# KiCad board NoU2-panelized.kicad_pcb (continued)
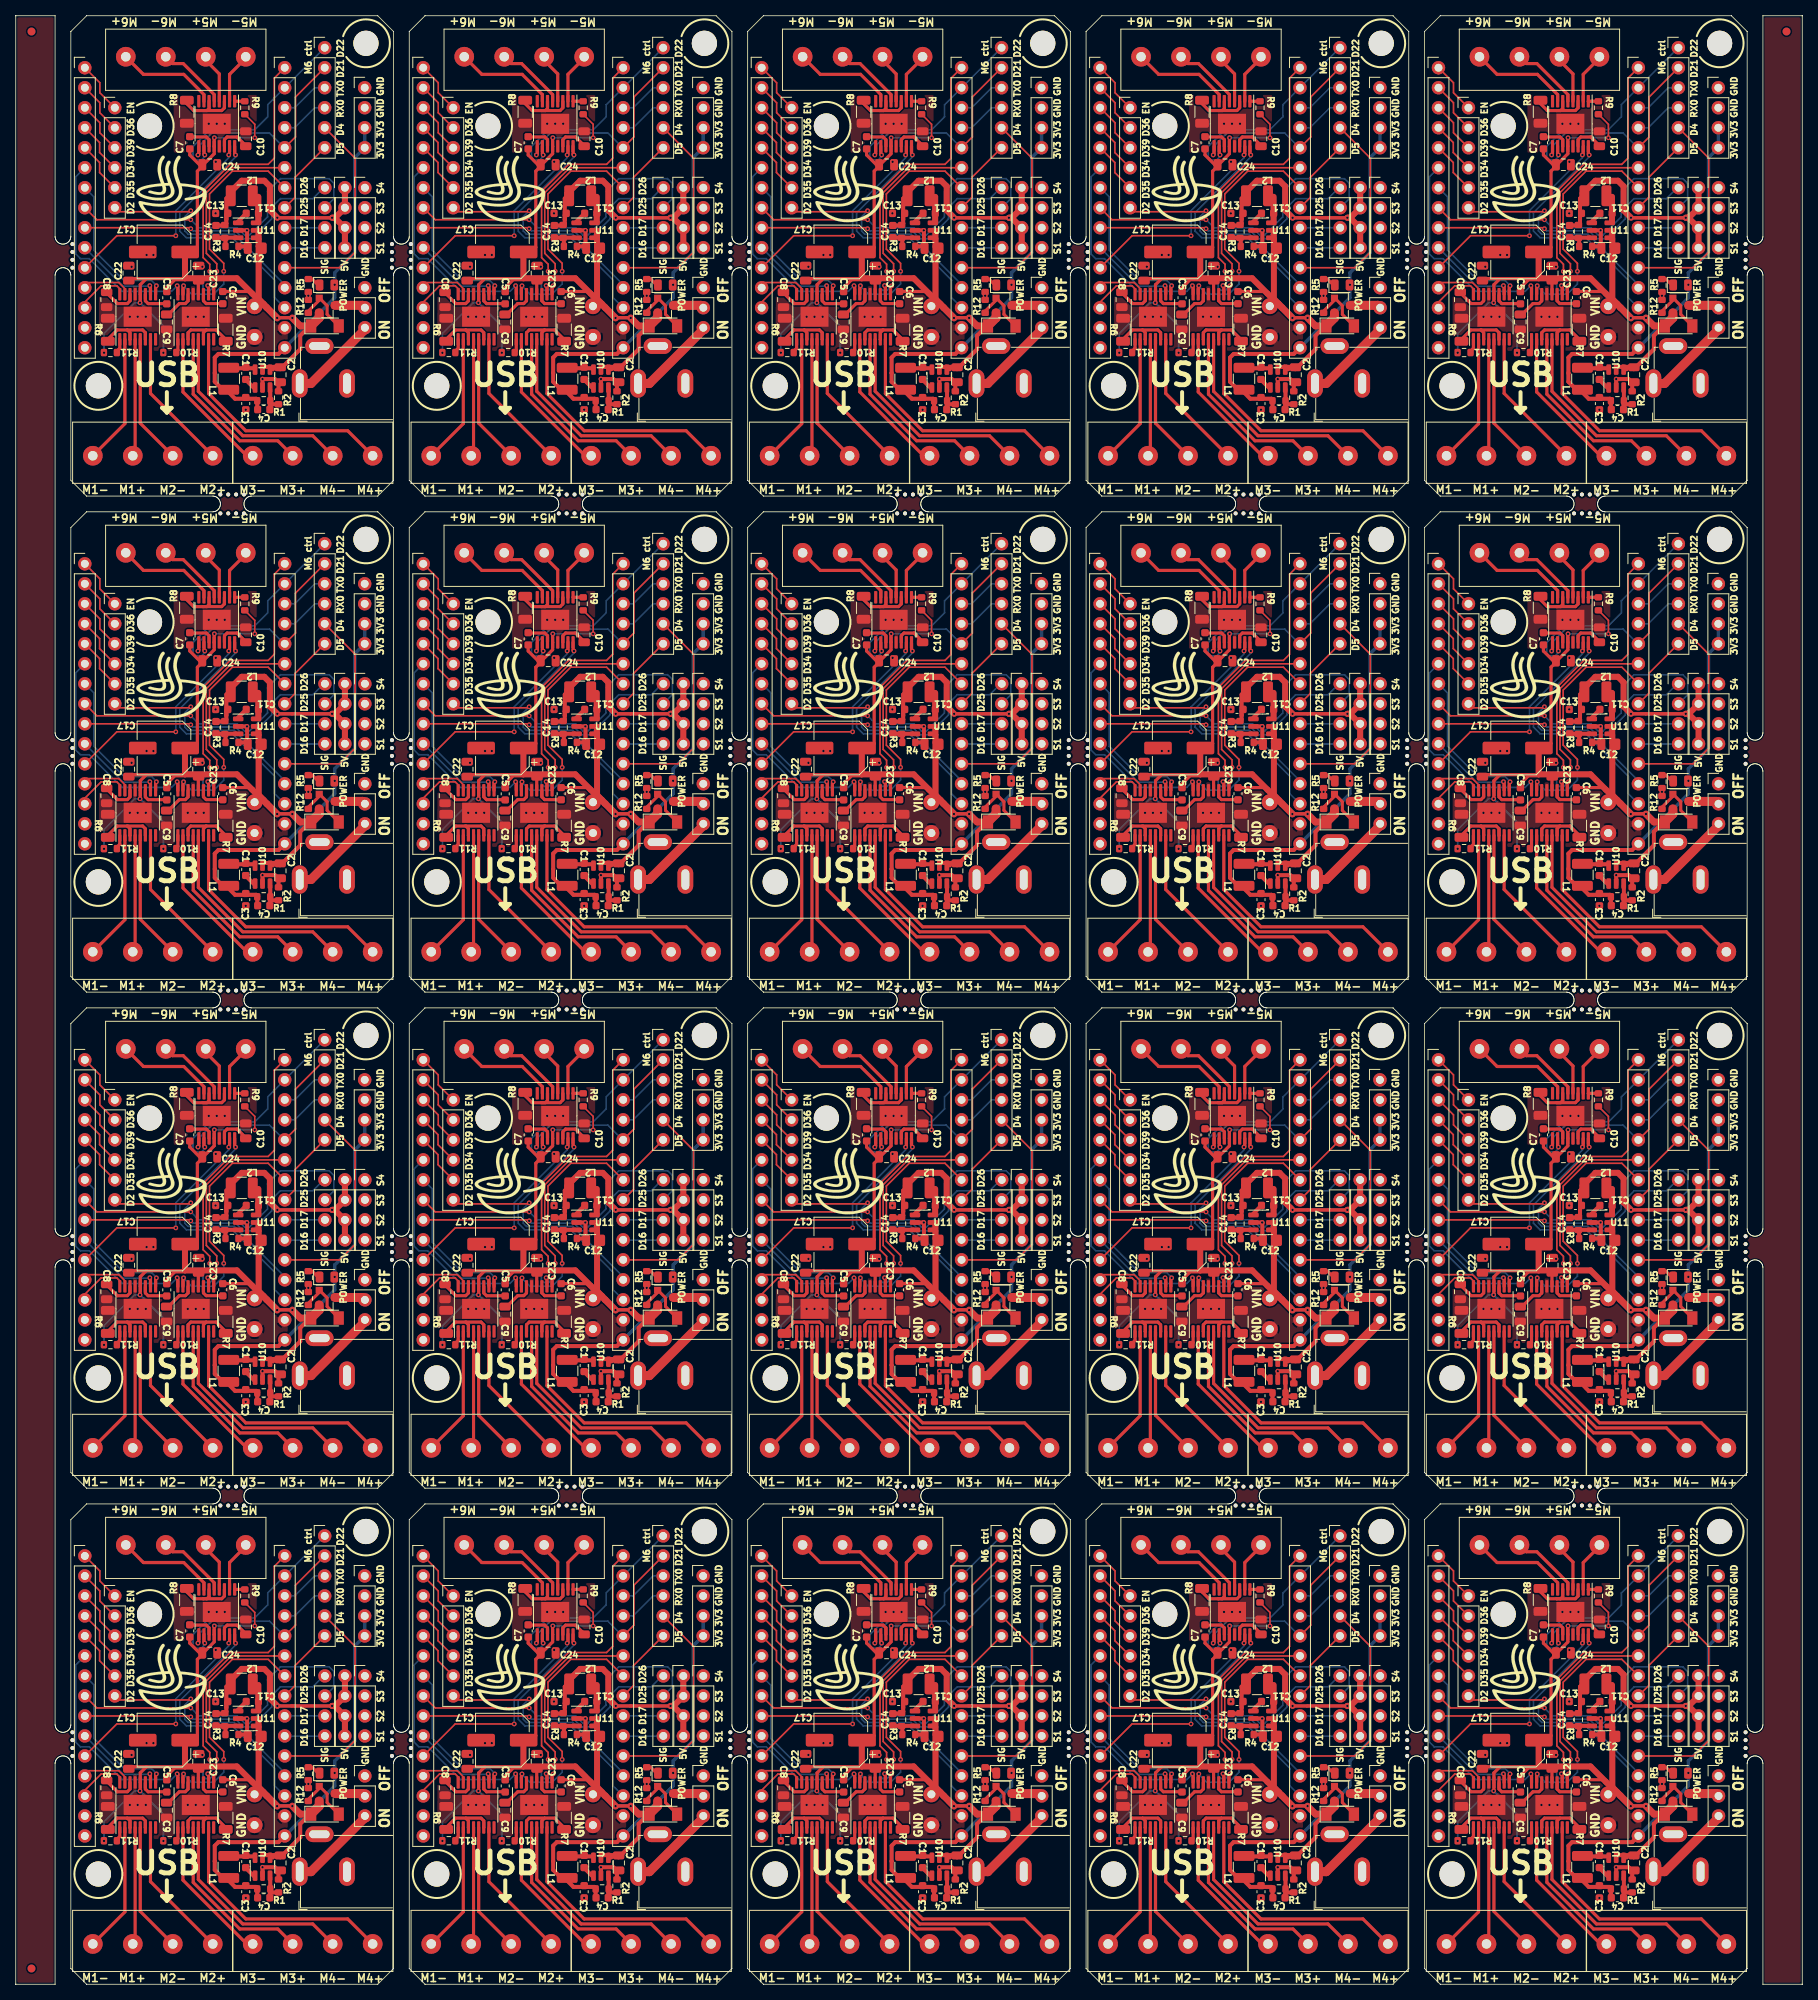
[diagram p0: board, top side]
## Routing (per net, layer and track width the routed paths; a pad name or vN(x,y) marks a point on that pad's centre or on a via; arc(x,y) is an arc through that point) (continued)
Board_2-M3B: length 30.9
  Top w0.203: 107.25,215.58 107.33,215.66 ; J11#12.7 118.07,230.26 113.52,230.26 110.62,227.36 110.62,220.36 112.43,218.55 v1(112.43,217.54)
  Top w0.399: U3#12.15 107.25,215.58
  Bottom w0.203: 107.33,215.66 108.34,214.65 111.15,214.65 112.43,215.93 v1(112.43,217.54)
  vias: v1(107.33,215.71)
Board_2-M4A: length 25.2
  Top w0.203: v1(111.54,217.54) 111.54,218.5 110.22,219.83 110.22,227.53 113.39,230.7 J11#12.6
  Top w0.399: 110.4,215.66 110.5,215.56 U3#12.10
  Bottom w0.203: v1(111.54,217.54) 111.54,216.82 110.4,215.67 110.4,215.66
  vias: v1(110.4,215.74)
Board_2-M4B: length 38.7
  Top w0.203: J11#12.1 118.86,242.08 118.86,231.92 118.07,231.13 113.24,231.13 109.81,227.7 109.81,219.28 110.65,218.44 v1(110.65,217.54)
  Top w0.399: 111.26,215.66 111.15,215.55 U3#12.9
  Bottom w0.203: v1(111.29,215.71) 110.71,215.13 110.11,215.13 109.79,215.44 109.79,216.12 110.65,216.98 v1(110.65,217.54)
Board_2-M5A: length 32.5
  Top w0.399: 113.93,232.37 v1(113.93,232.32) 113.82,232.43 U2#6.16
  Bottom w0.203: v1(113.93,232.32) 113.93,232.07 106.84,224.98 106.84,222.65 107.69,221.81 113.51,221.81 118.91,216.41 118.91,214.19 120.17,212.92 J11#12.13
Board_2-M5B: length 27.4
  Top w0.203: v1(106.33,222.06) 98.84,222.06 J10#11.11
  Top w0.399: U2#6.15 113.17,232.47 113.07,232.37
  Bottom w0.203: v1(106.33,222.06) 106.33,225.24 113.07,231.97 113.07,232.37
  vias: v1(113.07,232.32)
Board_2-M6A: length 27.3
  Top w0.203: 125.25,245.94 J1#5.1
  Top w0.399: U2#6.10 109.92,232.47 110.02,232.37
  Bottom w0.203: 125.25,245.94 J11#12.2 118.02,238.7 118.02,237.17 116.37,235.52 110.65,235.52 108.52,233.39 108.52,232.02 108.85,231.69 109.59,231.69 110.02,232.12 v1(110.02,232.32)
Board_2-M6B: length 26.9
  Top w0.203: J11#12.5 121.55,234.61 121.55,239.69 J1#5.2
  Top w0.399: 109.15,232.37 109.27,232.49 U2#6.9
  Bottom w0.203: 109.15,232.37 109.27,232.49 109.27,233.46 110.92,235.11 118.24,235.11 120.11,233.24 J11#12.5
  vias: v1(109.15,232.32)
Board_2-Net-(C1-Pad1): length 3.3
  Top w0.508: 116.43,205.23 113.15,205.23
Board_2-Net-(C1-Pad2): length 1.7
  Top w0.508: 115.2,203.8 116.37,202.63 ; 115.33,203.81 115.33,203.78
Board_2-Net-(C4-Pad1): length 4.1
  Top w0.508: 118.29,201.06 R1#6.2 118.34,202.59 ; 118.29,201.06 118.29,200.84 118.46,200.66 R2#17.1 ; 118.29,201.06 C4#19.1 ; 118.41,201.06 118.46,201.1
Board_2-Net-(C5-Pad2): length 3.7
  Top w0.399: C5#9.2 105.16,213.44 102.82,213.44 102.47,213.79 U1#7.11
Board_2-Net-(C6-Pad2): length 3.4
  Top w0.399: C6#8.2 112.28,213.45 110.19,213.45 109.85,213.79 U3#12.11
Board_2-Net-(C7-Pad2): length 3.5
  Top w0.399: U2#6.11 110.57,234.27 110.22,234.61 108.15,234.61 C7#10.2
Board_2-Net-(C8-Pad1): length 4.6
  Top w0.399: U1#7.14 100.52,213.79 100.18,213.45 98.91,213.45 97.55,214.81 C8#10.1
Board_2-Net-(C9-Pad1): length 4.3
  Top w0.399: C9#16.1 105.4,212.06 106.78,213.45 107.56,213.45 107.9,213.79 U3#12.14
Board_2-Net-(C10-Pad1): length 4.2
  Top w0.399: 115.22,233.43 115.22,233.51 114.12,234.61 112.86,234.61 112.52,234.27 U2#6.14
Board_2-Net-(C11-Pad1): length 3.5
  Top w0.508: 116.7,225.04 C11#9.1 116.68,224.75 ; 116.7,226.99 116.65,227.04
  Top w0.762: 116.83,225.06 116.83,227 ; 116.83,223.81 116.83,224.86
Board_2-Net-(C11-Pad2): length 1.7
  Top w0.508: 114.06,223.7 114.08,223.7 C11#9.2
Board_2-Net-(C14-Pad1): length 3.7
  Top w0.508: 114.06,221.8 114.04,221.82 C14.1 ; R3#14.2 112.65,221.69 R4#5.1
Board_2-Net-(D1-Pad1): length 1.6
  Top w0.381: 123.35,216.56 123.67,216.56 124.42,215.81 D1#16.1
Board_2-Net-(D2-Pad2): length 7.2
  Top w0.381: 123.2,212.27 123.2,212.51 124.56,213.87 Q1#3.1 125.56,213.17 125.56,212.08 D2#12.2
  Top w0.508: Q1#3.1 124.43,214.17
Board_2-Net-(J6-Pad1): length 16.5
  Top w0.399: U1#7.2 99.87,198.2 J6#12.1
Board_2-Net-(J6-Pad2): length 14.9
  Top w0.399: U1#7.4 101.17,194.42 J6#12.2
Board_2-Net-(J6-Pad3): length 16.5
  Top w0.399: U1#7.5 101.82,198.25 J6#12.3
Board_2-Net-(J6-Pad4): length 18.1
  Top w0.399: J6#12.4 103.12,202.03 U1#7.7
Board_2-Net-(J7-Pad1): length 18.9
  Top w0.399: U3#12.2 107.25,202.22 115.35,194.12 J7#17.1
Board_2-Net-(J7-Pad2): length 22.9
  Top w0.399: J7#17.2 119.29,196.02 114.47,196.02 108.55,201.94 U3#12.4
Board_2-Net-(J7-Pad3): length 27.1
  Top w0.399: U3#12.5 109.2,202.3 114.84,196.66 123.73,196.66 J7#17.3
Board_2-Net-(J7-Pad4): length 31
  Top w0.399: U3#12.7 110.5,202.02 115.22,197.3 128.18,197.3 J7#17.4
Board_2-Net-(J8-Pad1): length 6.5
  Top w0.399: U2#6.2 113.17,242.56 115.22,244.62 J8#4.1
Board_2-Net-(J8-Pad2): length 6.4
  Top w0.399: U2#6.4 111.87,242.61 110.14,244.34 J8#4.2
Board_2-Net-(J8-Pad3): length 9
  Top w0.399: U2#6.5 111.22,239.99 107.28,243.93 105.93,243.93 J8#4.3
Board_2-Net-(J8-Pad4): length 12.8
  Top w0.399: 99.98,244.79 102.22,242.56 107.35,242.56 109.92,239.99 U2#6.7
Board_2-Net-(J9-Pad1): length 11.3
  Top w1.143: 130.34,210.38 130.34,210.12 123.52,203.3 J9#9.1
Board_2-Net-(Q1-Pad3): length 3.9
  Top w1.143: U8#4.2 130.06,213.22 Q1#3.3
Board_2-Net-(R6-Pad2): length 7.8
  Top w0.399: 102.47,208.91 U1#7.6 102.47,209.75 102.13,210.1 100.18,210.1 ; 100.18,210.1 100.52,209.75 U1#7.3 100.52,208.91 ; 100.18,210.1 98.89,210.1 97.7,208.91 R6#9.2
Board_2-Net-(R7-Pad2): length 7.8
  Top w0.399: 107.9,208.91 U3#12.3 107.9,209.75 108.24,210.1 110.19,210.1 ; 110.19,210.1 109.85,209.75 U3#12.6 109.84,208.9 ; 110.19,210.1 111.47,210.1 112.69,208.89 R7#7.2
Board_2-Net-(R8-Pad2): length 8.5
  Top w0.399: U2#6.3 112.52,238.3 112.17,237.96 109.79,237.96 ; 109.79,237.96 110.3,237.96 110.57,238.23 U2#6.6 ; 109.79,237.96 108.61,237.96 107.73,238.84 107.73,239.4
Board_2-Net-(R9-Pad1): length 1.3
  Top w0.399: U2#6.1 113.82,239.14 R9#4.1
Board_2-Net-(R10-Pad1): length 1.7
  Top w0.399: 106.4,207.33 106.6,207.53 U3#12.1
Board_2-Net-(R11-Pad1): length 1.8
  Top w0.399: U1#7.1 99.22,207.77 98.78,207.33
Board_2-RX0: length 6.1
  Bottom w0.203: J11#12.4 121.45,235.78 123.99,238.32 J1#5.4
Board_2-TX0: length 6.1
  Bottom w0.203: J11#12.3 121.45,238.32 123.99,240.86 J1#5.3
Board_2-VIN: length 111
  Top w0.203: R9#4.2 116.37,236.22 v1(116.37,234.51)
  Top w0.25: J14#7.1 117.71,213.12 117.9,212.93
  Top w0.399: 109.21,216.36 109.2,216.35 U3#12.12 ; C6#8.1 115.78,214.98 116.04,214.72 ; 107.49,216.47 106.31,216.47 ; C22#2.1 100.6,216.6 ; C24#17.1 109.36,231.08 108.11,232.32 C7#10.1 ; C24#17.1 109.82,231.08 111.22,232.48 U2#6.12 111.21,233.43 111.21,234.51 ; C24#17.1 109.7,230.89 109.08,230.26 109.08,220.59 108.49,220 C17#8.1 ; 115.01,237.4 R9#4.2 ; 106.16,216.42 105.19,215.46 C5#9.1 ; 100.65,216.62 102.62,216.62 ; 107.54,216.62 102.6,216.62 101.82,215.84 U1#7.12 101.82,213.56 101.81,213.55
  Top w0.432: v1(121.14,211.62) 121.11,211.65 119.25,211.65 v1(119.21,211.62)
  Top w0.508: 117.65,205.4 118.27,205.4 ; 118.53,205.27 118.69,205.11 ; 116.86,219.72 116.86,219.95 C12#15.2 ; 116.86,221.61 116.68,221.8 ; D2#12.1 123.38,210.6 122.15,209.37 122.15,207.65 119.78,205.28 119.77,205.28 119.6,205.11 ; 119.52,205.41 118.61,205.41
  Top w0.762: 116.74,214.1 116.66,214.1 114.1,216.66 107.57,216.66 ; 116.86,221.61 116.86,213.97 117.46,213.37 ; 116.85,221.7 116.85,222.65 ; C17#8.1 107.5,219.97 107.5,216.66
  Top w0.864: D2#12.1 122.16,210.6 v1(121.14,211.62) ; 116.74,214.1 v1(119.21,211.62)
  Top w1.143: D2#12.1 124.56,211.63 Q1#3.2
  Bottom w0.203: v1(101.79,213.55) 101.13,213.55 97.22,209.64 v1(97.22,207.2) ; 111.21,234.51 v1(116.37,234.51)
  Bottom w0.25: v1(104.76,207.2) 104.76,210.58 v1(101.79,213.55)
  Bottom w0.432: v1(119.21,211.62) 119.25,211.65 121.11,211.65 v1(121.14,211.62)
  vias: v1(111.24,234.51)
Board_3-3V3: length 53
  Top w0.508: 156.2,202.25 155.56,202.25 154.29,203.52 154.29,204.63 154.29,204.63 154.29,206.59 154.75,207.05 162.39,207.05 J11#9.15 ; 156.07,202.37 155.94,202.5 155.94,202.29 156.87,201.36 159.56,201.36 159.81,201.1 ; 159.81,200.04 159.86,199.99 ; R1#18.1 159.69,200.04
  Bottom w0.432: J11#9.15 169.53,214.19 v1(169.53,215.84) 169.53,217.36 172.09,219.92 172.09,231.99 J3#2.4 J3#2.3
Board_3-5V: length 40.3
  Top w0.432: v1(162.24,224.35) v1(169.2,224.35)
  Top w0.508: 155.98,225.1 155.98,224.9 155.76,224.69 155.76,224.14 ; 156.11,227.14 155.76,226.79 155.76,224.14 ; 155.76,224.14 155.76,223.63 R3#11.1 155.5,223.37 C14#10.2
  Top w0.762: J12#10.1 170.82,225.59 169.58,224.35 v1(169.2,224.35) 169.53,224.35 170.82,223.05 170.82,220.51 ; 156.11,227.14 156.11,227.43 157.72,229.05 158.57,229.05 158.58,229.05 160.59,229.05 161.3,228.33 161.3,225.29 v1(162.24,224.35)
  Bottom w0.432: v1(162.24,224.35) v1(169.2,224.35)
Board_3-/Sheet6057E9B8/D16: length 5.1
  Top w0.203: 163.21,220.51 J11#9.10
  Bottom w0.203: 168.28,220.51 163.21,220.51
Board_3-/Sheet6057E9B8/D17: length 5.1
  Top w0.203: 168.25,223.08 168.28,223.05
  Bottom w0.203: J11#9.9 168.25,223.08
Board_3-/Sheet6057E9B8/D34: length 6.7
  Top w0.203: J10#20.4 139.66,233.9 139.66,232.63 141.59,230.7
Board_3-/Sheet6057E9B8/D35: length 6.7
  Top w0.203: J10#20.5 139.66,231.36 139.66,230.09 141.59,228.16
Board_3-/Sheet6057E9B8/D36: length 6.7
  Top w0.203: 141.59,235.78 139.68,237.68 139.68,238.95 J10#20.2
Board_3-/Sheet6057E9B8/D39: length 6.7
  Top w0.203: J10#20.3 139.68,236.41 139.68,235.14 141.59,233.24
Board_3-/Sheet6057E9B8/EN: length 7.3
  Top w0.203: J10#20.1 139.68,241.49 139.68,240.22 141.59,238.32
  Top w0.399: 137.78,242.76 J10#20.1
Board_3-D2: length 28.7
  Top w0.203: J4#8.6 142.1,225.11 151.11,225.11 v1(151.24,225.24)
  Bottom w0.203: J11#9.12 163.18,215.84 156.77,222.25 150.9,222.25 150.48,222.67 150.48,224.47 v1(151.24,225.24)
Board_3-D4: length 27.2
  Top w0.203: J11#9.11 170.14,218 172.12,219.98 172.12,231.92 J1#13.5
Board_3-D5: length 9.7
  Top w0.203: J11#9.8 164.5,226.94 164.5,229.48 J1#13.6
Board_3-D25: length 41.8
  Top w0.203: v1(151.24,224.09) 139.3,224.09 J10#20.8
  Bottom w0.203: v1(151.24,224.09) 152.26,223.08 157.15,223.08 158.08,222.14 158.68,222.14 161,224.46 161,227.68 162.63,229.31 168.83,229.31 169.44,228.71 169.44,226.77 J2#12.2
Board_3-D26: length 34.6
  Top w0.203: J10#20.9 151.15,223.08 v1(151.24,222.95)
  Bottom w0.203: v1(151.24,222.95) 151.52,222.67 156.91,222.67 157.91,221.68 158.99,221.68 161.53,224.22 161.53,225.67 162.63,226.77 166.75,226.77 168.13,228.16 J2#12.1
Board_3-GND: length 10.3
  Top w0.508: R2#12.2 162.39,203.24 C2#18.1 162.33,203.46 161.93,203.86 v1(160.36,203.86) 160.36,202.61 ; 157.06,222.75 v1(158.38,222.75) 158.4,222.72 158.4,220.8 158.31,220.71 R4#20.2 ; R12#12.2 R5#13.1 166.15,214.88 ; 158.32,199.98 158.32,199.98
  vias: v1(143.49,211.77) v1(143.72,218.12) v1(144.5,211.77) v1(145.53,211.77) v1(145.63,219.62) v1(146.49,219.62) v1(150.86,211.77) v1(151.88,211.77) v1(152.71,218.12) v1(152.89,211.77) v1(153.53,236.28) v1(154.41,231.46) v1(154.39,224.9) v1(154.54,236.28) v1(155.56,236.28) v1(158.22,199.96) v1(166.18,214.44)
Board_3-M1A: length 6.9
  Top w0.203: U1#16.16 142.22,215.33 141.85,215.7 139.85,215.7 137.78,213.63 J10#20.13
Board_3-M1B: length 6.8
  Top w0.203: U1#16.15 142.87,215.34 142.1,216.12 137.78,216.12 J10#20.12
Board_3-M2A: length 11.3
  Top w0.399: U1#16.10 146.12,215.57 146.03,215.66
  Bottom w0.203: 146.03,215.66 142.65,215.66 J10#20.10
  vias: v1(146.03,215.72)
Board_3-M2B: length 19.4
  Top w0.399: 146.87,215.66 146.77,215.56 U1#16.9
  Bottom w0.203: J10#20.7 138.93,227 138.93,220.22 142.78,216.37 146.26,216.37 146.87,215.76 v1(146.87,215.71) 146.87,215.66 146.87,215.72
Board_3-M3A: length 27.6
  Top w0.399: U3#15.16 149.6,215.57 149.51,215.66
  Bottom w0.203: v1(149.51,215.72) 148.79,215 142.5,215 138.35,219.15 137.23,219.15 136.63,219.75 136.63,229.54 J10#20.6
Board_3-M3B: length 30.9
  Top w0.203: J11#9.7 161.07,230.26 156.52,230.26 153.62,227.36 153.62,220.36 155.43,218.55 v1(155.43,217.54) ; 150.25,215.58 150.33,215.66
  Top w0.399: U3#15.15 150.25,215.58
  Bottom w0.203: v1(155.43,217.54) 155.43,215.93 154.15,214.65 151.34,214.65 150.33,215.66
  vias: v1(150.33,215.71)
Board_3-M4A: length 25.2
  Top w0.203: v1(154.54,217.54) 154.54,218.5 153.22,219.83 153.22,227.53 156.39,230.7 J11#9.6
  Top w0.399: U3#15.10 153.5,215.56 153.4,215.66
  Bottom w0.203: 153.4,215.66 153.4,215.67 154.54,216.82 v1(154.54,217.54)
  vias: v1(153.4,215.74)
Board_3-M4B: length 38.7
  Top w0.203: J11#9.1 161.86,242.08 161.86,231.92 161.07,231.13 156.24,231.13 152.81,227.7 152.81,219.28 153.65,218.44 v1(153.65,217.54)
  Top w0.399: 154.26,215.66 154.15,215.55 U3#15.9
  Bottom w0.203: v1(154.29,215.71) 153.71,215.13 153.11,215.13 152.79,215.44 152.79,216.12 153.65,216.98 v1(153.65,217.54)
Board_3-M5A: length 32.5
  Top w0.399: 156.93,232.37 v1(156.93,232.32) 156.82,232.43 U2#14.16
  Bottom w0.203: v1(156.93,232.32) 156.93,232.07 149.84,224.98 149.84,222.65 150.69,221.81 156.51,221.81 161.91,216.41 161.91,214.19 163.17,212.92 J11#9.13
Board_3-M5B: length 27.4
  Top w0.203: v1(149.34,222.06) 141.84,222.06 J10#20.11
  Top w0.399: 156.07,232.37 156.17,232.47 U2#14.15
  Bottom w0.203: 156.07,232.37 156.07,231.97 149.34,225.24 v1(149.34,222.06)
  vias: v1(156.07,232.32)
Board_3-M6A: length 27.3
  Top w0.203: 168.25,245.94 J1#13.1
  Top w0.399: U2#14.10 152.92,232.47 153.02,232.37
  Bottom w0.203: v1(153.02,232.32) 153.02,232.12 152.59,231.69 151.85,231.69 151.52,232.02 151.52,233.39 153.65,235.52 159.37,235.52 161.02,237.17 161.02,238.7 J11#9.2 168.25,245.94
Board_3-M6B: length 26.9
  Top w0.203: J11#9.5 164.55,234.61 164.55,239.69 J1#13.2
  Top w0.399: 152.15,232.37 152.27,232.49 U2#14.9
  Bottom w0.203: 152.15,232.37 152.27,232.49 152.27,233.46 153.92,235.11 161.24,235.11 163.11,233.24 J11#9.5
  vias: v1(152.15,232.32)
Board_3-Net-(C1-Pad1): length 3.3
  Top w0.508: 159.43,205.23 156.15,205.23
Board_3-Net-(C1-Pad2): length 1.7
  Top w0.508: 158.2,203.8 159.37,202.63 ; 158.33,203.81 158.33,203.78
Board_3-Net-(C4-Pad1): length 4.1
  Top w0.508: R2#12.1 161.46,200.66 161.29,200.84 161.29,201.06 ; 161.41,201.06 161.46,201.1 ; 161.29,201.06 R1#18.2 161.34,202.59 ; 161.29,201.06 C4#18.1
Board_3-Net-(C5-Pad2): length 3.7
  Top w0.399: C5#18.2 148.16,213.44 145.82,213.44 145.47,213.79 U1#16.11
Board_3-Net-(C6-Pad2): length 3.4
  Top w0.399: U3#15.11 152.85,213.79 153.19,213.45 155.28,213.45 C6#12.2
Board_3-Net-(C7-Pad2): length 3.5
  Top w0.399: C7#17.2 151.15,234.61 153.22,234.61 153.57,234.27 U2#14.11
Board_3-Net-(C8-Pad1): length 4.6
  Top w0.399: U1#16.14 143.52,213.79 143.18,213.45 141.91,213.45 140.55,214.81 C8#4.1
Board_3-Net-(C9-Pad1): length 4.3
  Top w0.399: U3#15.14 150.9,213.79 150.56,213.45 149.78,213.45 148.4,212.06 C9#6.1
Board_3-Net-(C10-Pad1): length 4.2
  Top w0.399: U2#14.14 155.52,234.27 155.86,234.61 157.12,234.61 158.22,233.51 158.22,233.43
Board_3-Net-(C11-Pad1): length 3.5
  Top w0.508: 159.68,224.75 C11#3.1 159.7,225.04 ; 159.7,226.99 159.65,227.04
  Top w0.762: 159.83,225.06 159.83,227 ; 159.83,223.81 159.83,224.86
Board_3-Net-(C11-Pad2): length 1.7
  Top w0.508: C11#3.2 157.08,223.7 157.06,223.7
Board_3-Net-(C14-Pad1): length 3.7
  Top w0.508: C14#10.1 157.04,221.82 157.06,221.8 ; R3#11.2 155.65,221.69 R4#20.1
Board_3-Net-(D1-Pad1): length 1.6
  Top w0.381: D1#12.1 167.42,215.81 166.67,216.56 166.35,216.56
Board_3-Net-(D2-Pad2): length 7.2
  Top w0.381: 166.2,212.27 166.2,212.51 167.56,213.87 Q1#11.1 168.56,213.17 168.56,212.08 D2#5.2
  Top w0.508: Q1#11.1 167.43,214.17
Board_3-Net-(J6-Pad1): length 16.5
  Top w0.399: J6#9.1 142.87,198.2 U1#16.2
Board_3-Net-(J6-Pad2): length 14.9
  Top w0.399: U1#16.4 144.17,194.42 J6#9.2
Board_3-Net-(J6-Pad3): length 16.5
  Top w0.399: U1#16.5 144.82,198.25 J6#9.3
Board_3-Net-(J6-Pad4): length 18.1
  Top w0.399: J6#9.4 146.12,202.03 U1#16.7
Board_3-Net-(J7-Pad1): length 18.9
  Top w0.399: U3#15.2 150.25,202.22 158.35,194.12 J7#6.1
Board_3-Net-(J7-Pad2): length 22.9
  Top w0.399: U3#15.4 151.55,201.94 157.47,196.02 162.29,196.02 J7#6.2
Board_3-Net-(J7-Pad3): length 27.1
  Top w0.399: J7#6.3 166.73,196.66 157.84,196.66 152.2,202.3 U3#15.5
Board_3-Net-(J7-Pad4): length 31
  Top w0.399: J7#6.4 171.18,197.3 158.22,197.3 153.5,202.02 U3#15.7
Board_3-Net-(J8-Pad1): length 6.5
  Top w0.399: J8#15.1 158.22,244.62 156.17,242.56 U2#14.2
Board_3-Net-(J8-Pad2): length 6.4
  Top w0.399: J8#15.2 153.15,244.34 154.87,242.61 U2#14.4
Board_3-Net-(J8-Pad3): length 9
  Top w0.399: J8#15.3 148.93,243.93 150.28,243.93 154.22,239.99 U2#14.5
Board_3-Net-(J8-Pad4): length 12.8
  Top w0.399: 142.99,244.79 145.22,242.56 150.35,242.56 152.92,239.99 U2#14.7
Board_3-Net-(J9-Pad1): length 11.3
  Top w1.143: J9#6.1 166.52,203.3 173.34,210.12 173.34,210.38
Board_3-Net-(Q1-Pad3): length 3.9
  Top w1.143: Q1#11.3 173.06,213.22 U8#7.2
Board_3-Net-(R6-Pad2): length 7.8
  Top w0.399: 143.52,208.91 U1#16.3 143.52,209.75 143.18,210.1 ; 143.18,210.1 145.13,210.1 145.47,209.75 U1#16.6 145.47,208.91 ; 143.18,210.1 141.89,210.1 140.7,208.91 R6#7.2
Board_3-Net-(R7-Pad2): length 7.8
  Top w0.399: 153.19,210.1 152.85,209.75 U3#15.6 152.84,208.9 ; 153.19,210.1 154.47,210.1 155.69,208.89 R7#10.2 ; 153.19,210.1 151.24,210.1 150.9,209.75 U3#15.3 150.9,208.91
Board_3-Net-(R8-Pad2): length 8.5
  Top w0.399: 152.79,237.96 151.61,237.96 150.73,238.84 150.73,239.4 ; 152.79,237.96 155.17,237.96 155.52,238.3 U2#14.3 ; 152.79,237.96 153.3,237.96 153.57,238.23 U2#14.6
Board_3-Net-(R9-Pad1): length 1.3
  Top w0.399: R9#12.1 156.82,239.14 U2#14.1
Board_3-Net-(R10-Pad1): length 1.7
  Top w0.399: U3#15.1 149.6,207.53 149.4,207.33
Board_3-Net-(R11-Pad1): length 1.8
  Top w0.399: U1#16.1 142.22,207.77 141.78,207.33
Board_3-RX0: length 6.1
  Bottom w0.203: J1#13.4 166.99,238.32 164.45,235.78 J11#9.4
Board_3-TX0: length 6.1
  Bottom w0.203: J11#9.3 164.45,238.32 166.99,240.86 J1#13.3
Board_3-VIN: length 111
  Top w0.203: v1(159.37,234.51) 159.37,236.22 R9#12.2
  Top w0.25: 160.9,212.93 160.71,213.12 J14#13.1
  Top w0.399: 154.21,234.51 154.21,233.43 U2#14.12 154.22,232.48 152.82,231.08 C24#11.1 ; C17#7.1 151.49,220 152.08,220.59 152.08,230.26 152.7,230.89 C24#11.1 ; C5#18.1 148.19,215.46 149.16,216.42 ; 159.04,214.72 158.78,214.98 C6#12.1 ; 150.54,216.62 145.6,216.62 144.82,215.84 U1#16.12 144.82,213.56 144.81,213.55 ; 143.65,216.62 145.62,216.62 ; 158.01,237.4 R9#12.2 ; U3#15.12 152.2,216.35 152.21,216.36 ; C24#11.1 152.36,231.08 151.11,232.32 C7#17.1 ; C22#4.1 143.6,216.6 ; 150.49,216.47 149.31,216.47
  Top w0.432: v1(164.14,211.62) 164.11,211.65 162.25,211.65 v1(162.21,211.62)
  Top w0.508: 159.86,221.61 159.68,221.8 ; 162.6,205.11 162.77,205.28 162.78,205.28 165.15,207.65 165.15,209.37 166.38,210.6 D2#5.1 ; C12#7.2 159.86,219.95 159.86,219.72 ; 160.65,205.4 161.27,205.4 ; 161.53,205.27 161.69,205.11 ; 162.52,205.41 161.61,205.41
  Top w0.762: 159.85,221.7 159.85,222.65 ; 159.74,214.1 159.66,214.1 157.1,216.66 150.57,216.66 ; 159.86,221.61 159.86,213.97 160.46,213.37 ; 150.5,216.66 150.5,219.97 C17#7.1
  Top w0.864: 159.74,214.1 v1(162.21,211.62) ; D2#5.1 165.16,210.6 v1(164.14,211.62)
  Top w1.143: Q1#11.2 167.56,211.63 D2#5.1
  Bottom w0.203: 154.21,234.51 v1(159.37,234.51) ; v1(144.79,213.55) 144.13,213.55 140.22,209.64 v1(140.22,207.2)
  Bottom w0.25: v1(144.79,213.55) 147.76,210.58 v1(147.76,207.2)
  Bottom w0.432: v1(164.14,211.62) 164.11,211.65 162.25,211.65 v1(162.21,211.62)
  vias: v1(154.24,234.51)
Board_4-3V3: length 53
  Top w0.508: 202.81,201.1 202.56,201.36 199.87,201.36 198.94,202.29 198.94,202.5 199.07,202.37 ; R1#4.1 202.69,200.04 ; 199.2,202.25 198.56,202.25 197.29,203.52 197.29,204.63 197.29,204.63 197.29,206.59 197.75,207.05 205.39,207.05 J11#17.15 ; 202.81,200.04 202.86,199.99
  Bottom w0.432: J3#17.3 J3#17.4 215.09,231.99 215.09,219.92 212.53,217.36 v1(212.53,215.84) 212.53,214.19 J11#17.15
Board_4-5V: length 40.3
  Top w0.432: v1(205.24,224.35) v1(212.2,224.35)
  Top w0.508: 198.76,224.14 198.76,224.69 198.98,224.9 198.98,225.1 ; 198.76,224.14 198.76,226.79 199.11,227.14 ; 198.76,224.14 198.76,223.63 R3#8.1 198.5,223.37 C14#14.2
  Top w0.762: 213.82,220.51 213.82,223.05 212.53,224.35 v1(212.2,224.35) 212.58,224.35 213.82,225.59 J12#8.1 ; v1(205.24,224.35) 204.3,225.29 204.3,228.33 203.59,229.05 201.58,229.05 201.57,229.05 200.72,229.05 199.11,227.43 199.11,227.14
  Bottom w0.432: v1(212.2,224.35) v1(205.24,224.35)
Board_4-/Sheet6057E9B8/D16: length 5.1
  Top w0.203: 206.21,220.51 J11#17.10
  Bottom w0.203: 211.28,220.51 206.21,220.51
Board_4-/Sheet6057E9B8/D17: length 5.1
  Top w0.203: 211.25,223.08 211.28,223.05
  Bottom w0.203: J11#17.9 211.25,223.08
Board_4-/Sheet6057E9B8/D34: length 6.7
  Top w0.203: J10#4.4 182.66,233.9 182.66,232.63 184.59,230.7
Board_4-/Sheet6057E9B8/D35: length 6.7
  Top w0.203: J10#4.5 182.66,231.36 182.66,230.09 184.59,228.16
Board_4-/Sheet6057E9B8/D36: length 6.7
  Top w0.203: 184.59,235.78 182.68,237.68 182.68,238.95 J10#4.2
Board_4-/Sheet6057E9B8/D39: length 6.7
  Top w0.203: 184.59,233.24 182.68,235.14 182.68,236.41 J10#4.3
Board_4-/Sheet6057E9B8/EN: length 7.3
  Top w0.203: J10#4.1 182.68,241.49 182.68,240.22 184.59,238.32
  Top w0.399: 180.78,242.76 J10#4.1
Board_4-D2: length 28.7
  Top w0.203: J4#20.6 185.1,225.11 194.11,225.11 v1(194.24,225.24)
  Bottom w0.203: v1(194.24,225.24) 193.48,224.47 193.48,222.67 193.9,222.25 199.77,222.25 206.18,215.84 J11#17.12
Board_4-D4: length 27.2
  Top w0.203: J11#17.11 213.14,218 215.12,219.98 215.12,231.92 J1#14.5
Board_4-D5: length 9.7
  Top w0.203: J1#14.6 207.5,229.48 207.5,226.94 J11#17.8
Board_4-D25: length 41.8
  Top w0.203: v1(194.24,224.09) 182.3,224.09 J10#4.8
  Bottom w0.203: J2#3.2 212.44,226.77 212.44,228.71 211.83,229.31 205.63,229.31 204,227.68 204,224.46 201.68,222.14 201.08,222.14 200.15,223.08 195.26,223.08 v1(194.24,224.09)
Board_4-D26: length 34.6
  Top w0.203: v1(194.24,222.95) 194.15,223.08 J10#4.9
  Bottom w0.203: v1(194.24,222.95) 194.52,222.67 199.91,222.67 200.91,221.68 201.99,221.68 204.53,224.22 204.53,225.67 205.63,226.77 209.75,226.77 211.13,228.16 J2#3.1
Board_4-GND: length 10.3
  Top w0.508: 209.15,214.88 R5#3.1 R12#6.2 ; 200.06,222.75 v1(201.38,222.75) 201.4,222.72 201.4,220.8 201.31,220.71 R4#12.2 ; R2.2 205.39,203.24 C2#15.1 205.33,203.46 204.93,203.86 v1(203.36,203.86) 203.36,202.61 ; 201.32,199.98 201.32,199.98
  vias: v1(186.49,211.77) v1(186.72,218.12) v1(187.5,211.77) v1(188.53,211.77) v1(188.63,219.62) v1(189.49,219.62) v1(193.86,211.77) v1(194.88,211.77) v1(195.71,218.12) v1(195.89,211.77) v1(196.53,236.28) v1(197.41,231.46) v1(197.39,224.9) v1(197.54,236.28) v1(198.56,236.28) v1(201.22,199.96) v1(209.18,214.44)
Board_4-M1A: length 6.9
  Top w0.203: J10#4.13 180.78,213.63 182.85,215.7 184.85,215.7 185.22,215.33 U1#20.16
Board_4-M1B: length 6.8
  Top w0.203: J10#4.12 180.78,216.12 185.1,216.12 185.87,215.34 U1#20.15
Board_4-M2A: length 11.3
  Top w0.399: U1#20.10 189.12,215.57 189.03,215.66
  Bottom w0.203: 189.03,215.66 185.65,215.66 J10#4.10
  vias: v1(189.03,215.72)
Board_4-M2B: length 19.4
  Top w0.399: 189.87,215.66 189.77,215.56 U1#20.9
  Bottom w0.203: 189.87,215.72 189.87,215.66 v1(189.87,215.71) 189.87,215.76 189.26,216.37 185.78,216.37 181.93,220.22 181.93,227 J10#4.7
Board_4-M3A: length 27.6
  Top w0.399: U3#16.16 192.6,215.57 192.51,215.66
  Bottom w0.203: J10#4.6 179.63,229.54 179.63,219.75 180.23,219.15 181.35,219.15 185.5,215 191.79,215 v1(192.51,215.72)
Board_4-M3B: length 30.9
  Top w0.203: J11#17.7 204.07,230.26 199.52,230.26 196.62,227.36 196.62,220.36 198.43,218.55 v1(198.43,217.54) ; 193.25,215.58 193.33,215.66
  Top w0.399: U3#16.15 193.25,215.58
  Bottom w0.203: v1(198.43,217.54) 198.43,215.93 197.15,214.65 194.34,214.65 193.33,215.66
  vias: v1(193.33,215.71)
Board_4-M4A: length 25.2
  Top w0.203: v1(197.54,217.54) 197.54,218.5 196.22,219.83 196.22,227.53 199.39,230.7 J11#17.6
  Top w0.399: U3#16.10 196.5,215.56 196.4,215.66
  Bottom w0.203: 196.4,215.66 196.4,215.67 197.54,216.82 v1(197.54,217.54)
  vias: v1(196.4,215.74)
Board_4-M4B: length 38.7
  Top w0.203: J11#17.1 204.86,242.08 204.86,231.92 204.07,231.13 199.24,231.13 195.81,227.7 195.81,219.28 196.65,218.44 v1(196.65,217.54)
  Top w0.399: U3#16.9 197.15,215.55 197.26,215.66
  Bottom w0.203: v1(196.65,217.54) 196.65,216.98 195.79,216.12 195.79,215.44 196.11,215.13 196.71,215.13 v1(197.29,215.71)
Board_4-M5A: length 32.5
  Top w0.399: 199.93,232.37 v1(199.93,232.32) 199.82,232.43 U2#20.16
  Bottom w0.203: v1(199.93,232.32) 199.93,232.07 192.84,224.98 192.84,222.65 193.69,221.81 199.51,221.81 204.91,216.41 204.91,214.19 206.17,212.92 J11#17.13
Board_4-M5B: length 27.4
  Top w0.203: v1(192.34,222.06) 184.84,222.06 J10#4.11
  Top w0.399: U2#20.15 199.17,232.47 199.07,232.37
  Bottom w0.203: 199.07,232.37 199.07,231.97 192.34,225.24 v1(192.34,222.06)
  vias: v1(199.07,232.32)
Board_4-M6A: length 27.3
  Top w0.203: 211.25,245.94 J1#14.1
  Top w0.399: 196.02,232.37 195.92,232.47 U2#20.10
  Bottom w0.203: v1(196.02,232.32) 196.02,232.12 195.59,231.69 194.85,231.69 194.52,232.02 194.52,233.39 196.65,235.52 202.37,235.52 204.02,237.17 204.02,238.7 J11#17.2 211.25,245.94
Board_4-M6B: length 26.9
  Top w0.203: J1#14.2 207.55,239.69 207.55,234.61 J11#17.5
  Top w0.399: 195.15,232.37 195.27,232.49 U2#20.9
  Bottom w0.203: 195.15,232.37 195.27,232.49 195.27,233.46 196.92,235.11 204.24,235.11 206.11,233.24 J11#17.5
  vias: v1(195.15,232.32)
